# Altium PCB RockerBox_Rev01.PcbDoc (part 5 of 8)
Units mil, origin at the board's own origin, x right, y up, seen from the top; angles counter-clockwise.
Board outline 5354.33 x 8818.9 mil, 4 copper layers (L1, L2, L3, L4), stack 62.087 mil thick; 579 components, 159 nets, 3624 pads, 3252 vias.
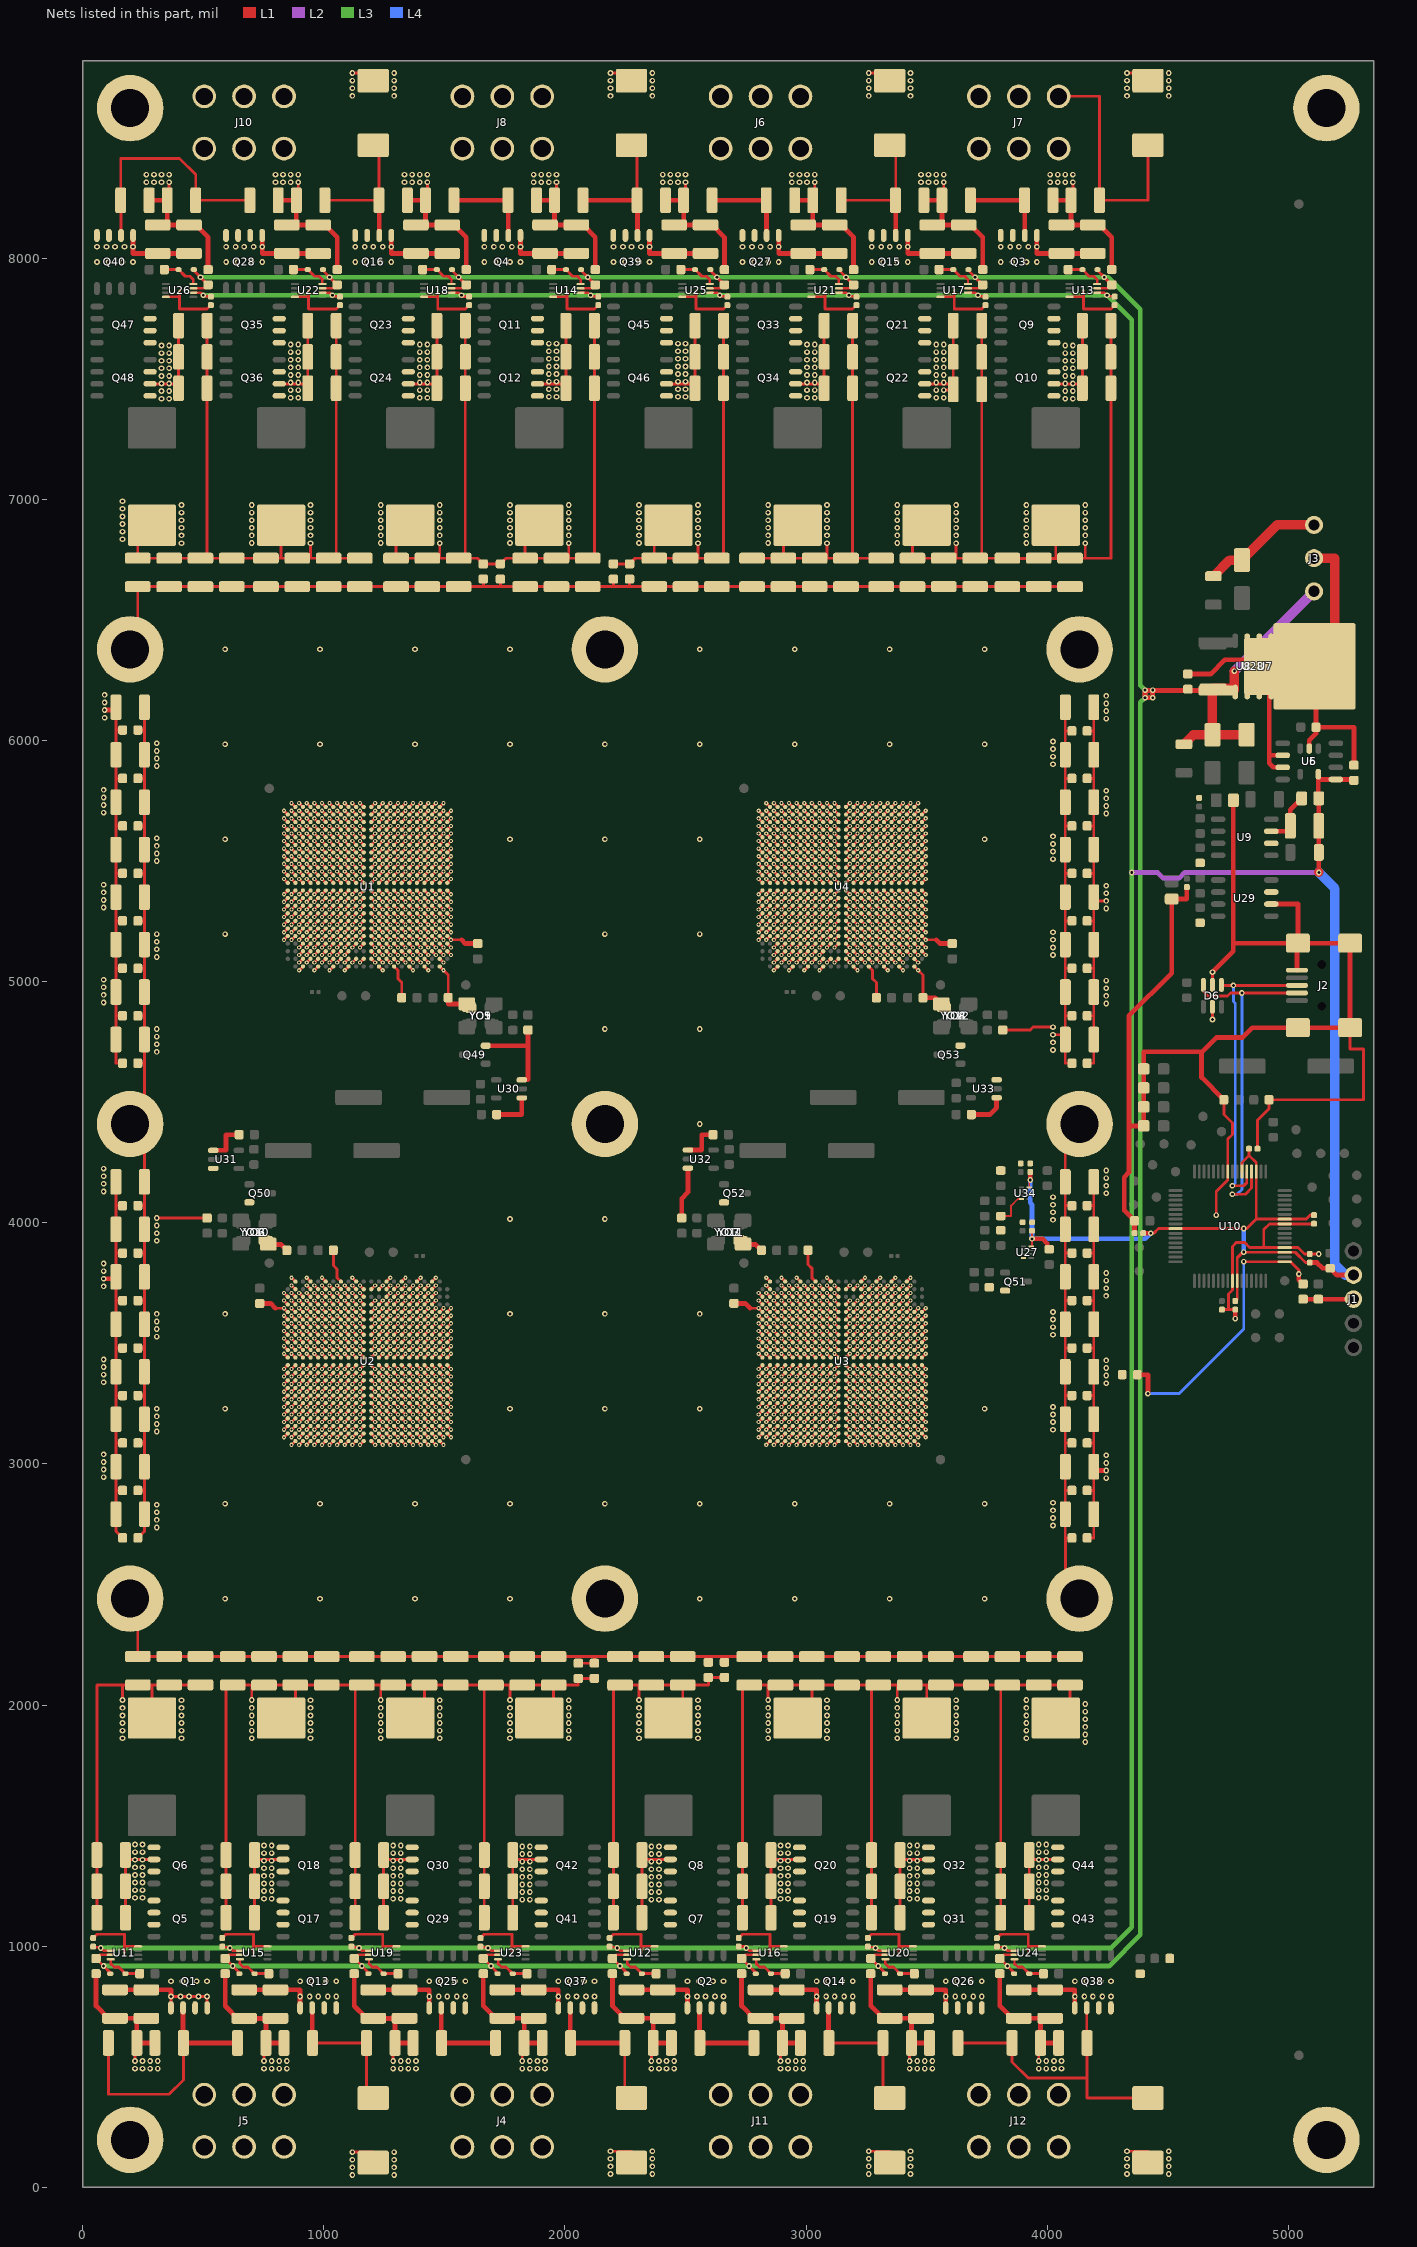
[diagram p7: the nets of this part, all layers, seen from the top]

## Via types
v1: diameter 17.72/17.72/17.72/17.72 (per signal layer), hole 7.87, L1 to L4, 1853 vias
v2: diameter 23.62/23.62/23.62/23.62 (per signal layer), hole 11.81, L1 to L4, 1399 vias

## Nets (pads, with @x,y where several pads share a name; then routed paths per layer and width w, separated by ;. In a path a pad name is that pad's centre, name@x,y a point inside that pad or via, vN(x,y) a via of type N, cw(c..) or ccw(c..) an arc to the next point about the centre after c; other vN are vias at no path point) (continued)
1V: (continued)
  L1 w19.68: v2(86.81,3767.72) C211.2@137.8,3767.72 ; v2(90.75,6125.98) C157.2@137.8,6125.98 ; C201.2@4192.91,2972.44 v2(4244.29,2972.44)
  other v2: 4157.48,1846.46 165.35,1862.2 409.45,1862.2 700.79,1862.2 944.88,1862.2 1236.22,1862.2 1480.31,1862.2 1771.65,1862.2 2015.75,1862.2 2307.09,1862.2 2551.18,1862.2 2842.52,1862.2 3086.61,1862.2 3377.95,1862.2 3622.05,1862.2 3913.39,1862.2 4157.48,1877.95 165.35,1893.7 409.45,1893.7 700.79,1893.7 944.88,1893.7 1236.22,1893.7 1480.31,1893.7 1771.65,1893.7 2015.75,1893.7 2307.09,1893.7 2551.18,1893.7 2842.52,1893.7 3086.61,1893.7 3377.95,1893.7 3622.05,1893.7 3913.39,1893.7 4157.48,1909.45 165.35,1925.2 409.45,1925.2 700.79,1925.2 944.88,1925.2 1236.22,1925.2 1480.31,1925.2 1771.65,1925.2 2015.75,1925.2 2307.09,1925.2 2551.18,1925.2 2842.52,1925.2 3086.61,1925.2 3377.95,1925.2 3622.05,1925.2 3913.39,1925.2 4157.48,1940.94 165.35,1956.69 409.45,1956.69 700.79,1956.69 944.88,1956.69 1236.22,1956.69 1480.31,1956.69 1771.65,1956.69 2015.75,1956.69 2307.09,1956.69 2551.18,1956.69 2842.52,1956.69 3086.61,1956.69 3377.95,1956.69 3622.05,1956.69 3913.39,1956.69 4157.48,1972.44 165.35,1988.19 409.45,1988.19 700.79,1988.19 944.88,1988.19 1236.22,1988.19 1480.31,1988.19 1771.65,1988.19 2015.75,1988.19 2307.09,1988.19 2551.18,1988.19 2842.52,1988.19 3086.61,1988.19 3377.95,1988.19 3622.05,1988.19 3913.39,1988.19 4157.48,2003.94 409.45,2019.68 944.88,2019.68 1480.31,2019.68 2015.75,2019.68 2551.18,2019.68 3086.61,2019.68 3622.05,2019.68 3913.39,2020.67 4244.29,2940.94 86.81,2944.88 86.81,2976.38 4244.29,3003.94 86.81,3007.87 4244.29,3035.43 86.81,3039.37 4244.29,3334.65 86.81,3338.58 4244.29,3366.14 86.81,3370.08 4244.29,3397.64 86.81,3401.57 4244.29,3429.13 86.81,3433.07 4244.09,3696.85 4244.29,3728.35 86.81,3736.22 4244.29,3759.84 4244.29,3791.34 86.81,3799.21 86.81,3830.71 4244.29,4122.05 86.81,4129.92 4244.29,4153.54 86.81,4161.42 4244.29,4185.04 86.81,4192.91 4244.29,4216.54 86.81,4224.41 4244.29,4909.45 86.81,4913.39 4244.29,4940.94 86.81,4944.88 4244.29,4972.44 86.81,4976.38 4244.29,5003.94 86.81,5007.87 4244.29,5303.15 86.81,5307.09 86.81,5338.58 4244.29,5366.14 86.81,5370.08 4244.29,5397.64 86.81,5401.57 4244.29,5696.85 86.81,5700.79 4244.29,5728.35 86.81,5732.28 4244.29,5759.84 86.81,5763.78 4244.29,5791.34 86.81,5795.28 4244.29,6090.55 90.75,6094.49 4244.29,6122.05 4244.29,6153.54 90.75,6157.48 4244.29,6185.04 90.75,6188.98 409.45,6817.91 700.79,6818.9 1236.22,6818.9 1771.65,6818.9 2307.09,6818.9 2842.52,6818.9 3377.95,6818.9 3913.39,6818.9 165.35,6834.65 409.45,6850.39 700.79,6850.39 944.88,6850.39 1236.22,6850.39 1480.31,6850.39 1771.65,6850.39 2015.75,6850.39 2307.09,6850.39 2551.18,6850.39 2842.52,6850.39 3086.61,6850.39 3377.95,6850.39 3622.05,6850.39 3913.39,6850.39 4157.48,6850.39 165.35,6866.14 409.45,6881.89 700.79,6881.89 944.88,6881.89 1236.22,6881.89 1480.31,6881.89 1771.65,6881.89 2015.75,6881.89 2307.09,6881.89 2551.18,6881.89 2842.52,6881.89 3086.61,6881.89 3377.95,6881.89 3622.05,6881.89 3913.39,6881.89 4157.48,6881.89 165.35,6897.64 409.45,6913.39 700.79,6913.39 944.88,6913.39 1236.22,6913.39 1480.31,6913.39 1771.65,6913.39 2015.75,6913.39 2307.09,6913.39 2551.18,6913.39 2842.52,6913.39 3086.61,6913.39 3377.95,6913.39 3622.05,6913.39 3913.39,6913.39 4157.48,6913.39 165.35,6929.13 409.45,6944.88 700.79,6944.88 944.88,6944.88 1236.22,6944.88 1480.31,6944.88 1771.65,6944.88 2015.75,6944.88 2307.09,6944.88 2551.18,6944.88 2842.52,6944.88 3086.61,6944.88 3377.95,6944.88 3622.05,6944.88 3913.39,6944.88 4157.48,6944.88 165.35,6960.63 409.45,6976.38 700.79,6976.38 944.88,6976.38 1236.22,6976.38 1480.31,6976.38 1771.65,6976.38 2015.75,6976.38 2307.09,6976.38 2551.18,6976.38 2842.52,6976.38 3086.61,6976.38 3377.95,6976.38 3622.05,6976.38 3913.39,6976.38 4157.48,6976.38 165.35,6992.13
3.3V: C4.1 C6.1 C7.1 C8.1 C9.1 C13.2 C14.1 C24.1 C25.1 C26.1 C27.1 C56.1 C57.1 C58.1 C59.1 C88.1 C89.1 C90.1 C91.1 C120.1 C121.1 C122.1 C123.1 C168.2 C251.2 C347.1 J1.2 R9.2 R14.2 R18.1 U5.5 U6.1 U10.10 U10.19 U10.26 U10.35 U10.38 U10.57 U11.6 U12.6 U13.6 U14.6 U15.6 U16.6 U17.6 U18.6 U19.6 U20.6 U21.6 U22.6 U23.6 U24.6 U25.6 U26.6 U27.8 U34.8 | length 24606.4
  L1 w7.87: U34.8@3925.2,4145.67 3925.2,4177.17 v2(3929.13,4177.17) ; U27.8@3933.27,3901.57 3937.2,3901.57 3937.2,3933.27 3937.2,3937.01 C168.2@3937.2,3966.54
  L1 w9.84: C24.1@43.31,998.03 45.28,996.06 71.85,996.06 75.3,992.62 78.74,989.17 v2(74.8,992.13) 79.23,988.68 86.61,981.3 U11.6@116.14,981.3 ; U26.6@458.66,7857.28 488.19,7857.28 495.57,7849.9 v2(500,7846.46) 496.06,7849.41 499.51,7845.96 502.95,7842.52 529.53,7842.52 C123.1@531.5,7840.55 ; C56.1@578.74,998.03 580.71,996.06 607.28,996.06 614.17,989.17 v2(610.24,992.13) 614.67,988.68 622.05,981.3 U15.6@651.57,981.3 ; U22.6@994.09,7857.28 1023.62,7857.28 1031,7849.9 v2(1035.43,7846.46) 1031.5,7849.41 1038.39,7842.52 1064.96,7842.52 C91.1@1066.93,7840.55 ; C88.1@1114.17,998.03 1116.14,996.06 1142.72,996.06 1149.61,989.17 v2(1145.67,992.13) 1150.1,988.68 1157.48,981.3 U19.6@1187.01,981.3 ; U18.6@1529.53,7857.28 1559.06,7857.28 v2@1569.88,7846.46 ; C120.1@1649.61,998.03 1651.57,996.06 1678.15,996.06 1685.04,989.17 v2(1681.1,992.13) 1685.53,988.68 1692.91,981.3 U23.6@1722.44,981.3 ; U14.6@2064.96,7857.28 2094.49,7857.28 2101.87,7849.9 v2(2106.3,7846.46) 2102.36,7849.41 2105.81,7845.96 2109.25,7842.52 2135.83,7842.52 C27.1@2137.8,7840.55 ; C25.1@2185.04,998.03 2187.01,996.06 2213.58,996.06 2217.03,992.62 2220.47,989.17 v2(2216.54,992.13) 2220.96,988.68 2228.35,981.3 U12.6@2257.87,981.3 ; U25.6@2600.39,7857.28 2629.92,7857.28 2637.3,7849.9 v2(2641.73,7846.46) 2637.8,7849.41 2641.24,7845.96 2644.68,7842.52 2671.26,7842.52 C122.1@2673.23,7840.55 ; v2@2752.95,992.13 2763.78,981.3 U16.6@2793.31,981.3 ; U21.6@3135.83,7857.28 3165.35,7857.28 3172.74,7849.9 v2(3177.17,7846.46) 3173.23,7849.41 3180.12,7842.52 3206.69,7842.52 C90.1@3208.66,7840.55 ; C89.1@3255.91,998.03 3257.87,996.06 3284.45,996.06 3291.34,989.17 v2(3287.4,992.13) 3291.83,988.68 3299.21,981.3 U20.6@3328.74,981.3 ; U17.6@3671.26,7857.28 3700.79,7857.28 3708.17,7849.9 v2(3712.6,7846.46) 3708.66,7849.41 3715.55,7842.52 3742.13,7842.52 C58.1@3744.09,7840.55 ; C121.1@3791.34,998.03 3793.31,996.06 3819.88,996.06 3823.33,992.62 3826.77,989.17 v2(3822.83,992.13) 3827.26,988.68 3834.65,981.3 U24.6@3864.17,981.3 ; U13.6@4206.69,7857.28 4236.22,7857.28 4243.6,7849.9 v2(4248.03,7846.46) 4244.09,7849.41 4247.54,7845.96 4250.98,7842.52 4277.56,7842.52 C26.1@4279.53,7840.55
  L1 w11.81: v2(1570.87,7846.46) 1569.88,7846.46 1570.37,7845.96 1575.79,7840.55 C59.1@1602.36,7840.55 ; C57.1@2720.47,998.03 2747.05,998.03 2752.46,992.62 2752.95,992.13 v2(2751.97,992.13) ; v2(4429.13,3956.69) 4441.61,3956.69 4460.63,3975.71 U10.57@4531.79,3975.71 v2@4814.29,3975.71 ; C9.1@4779.53,3675.2 4785.43,3681.1 4787.7,3681.1 4787.7,3854.63 4810.36,3877.29 4814.29,3877.29 v2(4814.96,3877.95) 4814.96,3877.29 U10.19@4984.55,3877.29 5028.23,3877.29 5070.87,3834.65 C6.1@5088.58,3834.65 ; U10.38@4807.38,4211.93 4807.38,4250.05 4836.61,4279.28 ; v2(4814.96,3976.38) v2@4814.29,3975.71 ; C4.1@4836.61,4307.09 4836.61,4279.28 ; C8.1@5106.3,4031.5 5090.55,4031.5 5074.14,4015.08 U10.26@4984.55,4015.08 4866.44,4015.08 ; v2@4814.29,3975.71 4827.07,3975.71 4866.44,4015.08 ; 4836.61,4279.28 4866.44,4249.46 U10.35@4866.44,4211.93 4866.44,4015.08
  L1 w19.68: v2(3929.13,4177.17) 3929.33,4177.36 C251.2@3929.33,4210.63 ; v2@3937.2,3937.01 3937.01,3936.81 v2(3937.01,3933.07) 3937.2,3933.27 3980.31,3933.27 4000,3913.58 4000,3897.83 R18.1@4008.07,3889.76 ; C7.1@4397.64,3956.69 v2(4429.13,3956.69) ; C6.1@5088.58,3834.65 5118.11,3834.65 5141.73,3811.02 R9.2@5173.23,3811.02 5201.18,3783.07 J1.2@5269.68,3783.07 ; U5.5@5124.02,5860.24 5124.02,5838.39 ; v2@5125.98,5452.95 R14.2@5125.98,5535.43 C13.2@5125.98,5645.67 C14.1@5125.98,5759.84 5124.02,5761.81 5124.02,5838.39 ; C347.1@5271.65,5834.65 5267.91,5838.39 U6.1@5196.85,5838.39 5124.02,5838.39
  L1 w39.37: v2@5125.98,5452.95 v2(5126.18,5452.76)
  L2 w19.68: v2(4350.39,5452.76) 4456.69,5452.76 4480.31,5429.13 4547.24,5429.13 4570.87,5452.76 v2(5126.18,5452.76)
  L3 w19.68: v2(74.8,992.13) v2(610.24,992.13) v2(1145.67,992.13) v2(1681.1,992.13) v2(2216.54,992.13) v2(2751.97,992.13) v2(3287.4,992.13) v2(3822.83,992.13) 4263.98,992.13 4350.59,1078.74 4350.59,7743.9 4350.39,7744.09 ; v2(500,7846.46) v2(1035.43,7846.46) v2(1570.87,7846.46) v2(2106.3,7846.46) v2(2641.73,7846.46) v2(3177.17,7846.46) v2(3712.6,7846.46) v2(4248.03,7846.46) 4350.39,7744.09 ; v2(4350.39,5452.76) 4350.39,7744.09
  L4 w19.68: v2(3929.13,4177.17) 3929.13,4082.68 3937.01,4074.8 v2(3937.01,3933.07) 4405.51,3933.07 v2(4429.13,3956.69) ; v2(4814.96,3877.95) v2(4814.96,3976.38)
  L4 w39.37: v2(5126.18,5452.76) 5192.72,5385.83 5192.72,3826.77 5236.42,3783.07 J1.2@5269.68,3783.07
5.0V: C12.1 C20.2 C21.2 C22.2 C23.2 C52.2 C53.2 C54.2 C55.2 C84.2 C85.2 C86.2 C87.2 C116.2 C117.2 C118.2 C119.2 D5.2 D7.1 D10.2 D11.2 D12.2 D13.2 D14.2 D15.2 D16.2 D17.2 D18.2 D19.2 D20.2 D21.2 D22.2 D23.2 D24.2 D25.2 J3.1 R12.1 U7.3 U8.3 U11.7 U12.7 U13.7 U14.7 U15.7 U16.7 U17.7 U18.7 U19.7 U20.7 U21.7 U22.7 U23.7 U24.7 U25.7 U26.7 U28.1 | length 19239
  L1 w9.84: C20.2@55.12,948.82 56.1,948.82 70.87,963.58 U11.7@116.14,963.58 ; U26.7@458.66,7875 503.94,7875 518.7,7889.76 C119.2@519.68,7889.76 ; C52.2@590.55,948.82 591.54,948.82 606.3,963.58 U15.7@651.57,963.58 ; U22.7@994.09,7875 1039.37,7875 1054.13,7889.76 C87.2@1055.12,7889.76 ; C84.2@1125.98,948.82 1126.97,948.82 1141.73,963.58 U19.7@1187.01,963.58 ; U18.7@1529.53,7875 1574.8,7875 1589.57,7889.76 C55.2@1590.55,7889.76 ; C116.2@1661.42,948.82 1662.4,948.82 1677.17,963.58 U23.7@1722.44,963.58 ; U14.7@2064.96,7875 2110.24,7875 2125,7889.76 C23.2@2125.98,7889.76 ; C21.2@2196.85,948.82 2197.83,948.82 2212.6,963.58 U12.7@2257.87,963.58 ; U25.7@2600.39,7875 2645.67,7875 2660.43,7889.76 C118.2@2661.42,7889.76 ; C53.2@2732.28,948.82 2733.27,948.82 2748.03,963.58 U16.7@2793.31,963.58 ; U21.7@3135.83,7875 3181.1,7875 3195.87,7889.76 C86.2@3196.85,7889.76 ; C85.2@3267.72,948.82 3268.7,948.82 3283.46,963.58 U20.7@3328.74,963.58 ; U17.7@3671.26,7875 3716.54,7875 3731.3,7889.76 C54.2@3732.28,7889.76 ; C117.2@3803.15,948.82 3804.13,948.82 3818.9,963.58 U24.7@3864.17,963.58 ; U13.7@4206.69,7875 4251.97,7875 4266.73,7889.76 C22.2@4267.72,7889.76
  L1 w11.81: C20.2@55.12,948.82 v2(86.61,917.32) 114.17,889.76 D10.2@114.17,885.83 ; D25.2@460.63,7952.76 460.63,7948.82 v2(488.19,7921.26) C119.2@519.68,7889.76 ; C52.2@590.55,948.82 v2(622.05,917.32) 649.61,889.76 D14.2@649.61,885.83 ; D21.2@996.06,7952.76 996.06,7948.82 v2(1023.62,7921.26) C87.2@1055.12,7889.76 ; C84.2@1125.98,948.82 v2(1157.48,917.32) 1185.04,889.76 D18.2@1185.04,885.83 ; D17.2@1531.5,7952.76 1531.5,7948.82 v2(1559.06,7921.26) C55.2@1590.55,7889.76 ; C116.2@1661.42,948.82 v2(1692.91,917.32) 1720.47,889.76 D22.2@1720.47,885.83 ; D13.2@2066.93,7952.76 2066.93,7948.82 v2(2094.49,7921.26) C23.2@2125.98,7889.76 ; C21.2@2196.85,948.82 v2(2228.35,917.32) 2255.91,889.76 D11.2@2255.91,885.83 ; D24.2@2602.36,7952.76 2602.36,7948.82 v2(2629.92,7921.26) C118.2@2661.42,7889.76 ; C53.2@2732.28,948.82 v2(2763.78,917.32) 2791.34,889.76 D15.2@2791.34,885.83 ; D20.2@3137.8,7952.76 3137.8,7948.82 v2(3165.35,7921.26) C86.2@3196.85,7889.76 ; C85.2@3267.72,948.82 v2(3299.21,917.32) 3326.77,889.76 D19.2@3326.77,885.83 ; D16.2@3673.23,7952.76 3673.23,7948.82 v2(3700.79,7921.26) C54.2@3732.28,7889.76 ; C117.2@3803.15,948.82 v2(3834.65,917.32) 3862.2,889.76 D23.2@3862.2,885.83 ; D12.2@4208.66,7952.76 4208.66,7948.82 v2(4236.22,7921.26) C22.2@4267.72,7889.76 ; C12.1@4582.87,6207.09 C12.1@4582.87,6212.6 ; U8.3@4685.04,6200.79 U28.1@4779.33,6200.79 ; U8.3@4688.98,6216.93 4688.98,6207.09 U7.3@4700.79,6207.09
  L1 w19.68: v2(4405.71,6208.66) v2@4405.71,6207.09 ; v2(4437.2,6208.66) v2@4437.2,6207.09 ; U8.3@4688.98,6207.09 4685.04,6207.09 4582.87,6207.09 v2@4437.2,6207.09 ; v2@4405.71,6207.09 v2(4405.71,6177.17) v2(4437.2,6177.17) v2@4437.2,6207.09 ; v2@4405.71,6207.09 v2@4437.2,6207.09
  L1 w39.37: R12.1@4566.93,5984.25 4606.3,6023.62 D5.2@4685.04,6023.62 ; v2(4775.79,6287.4) 4775.79,6208.66 4767.52,6216.93 4688.98,6216.93 U8.3@4687.01,6216.93 4685.04,6214.96 4685.04,6207.09 4685.04,6200.79 D5.2@4685.04,6023.62 ; D7.1@4826.77,6023.62 D5.2@4685.04,6023.62
  L2 w39.37: v2(4775.79,6287.4) 5106.3,6617.91 J3.1@5106.3,6618.11
  L3 w19.68: v2(86.61,917.32) v2(622.05,917.32) v2(1157.48,917.32) v2(1692.91,917.32) v2(2228.35,917.32) v2(2763.78,917.32) v2(3299.21,917.32) v2(3834.65,917.32) 4256.1,917.32 4386.02,1047.24 4386.02,6157.48 v2(4405.71,6177.17) ; v2(488.19,7921.26) v2(1023.62,7921.26) v2(1559.06,7921.26) v2(2094.49,7921.26) v2(2629.92,7921.26) v2(3165.35,7921.26) v2(3700.79,7921.26) v2(4236.22,7921.26) 4252.17,7921.26 4386.02,7787.4 4386.02,6228.35 v2(4405.71,6208.66) ; v2(4405.71,6177.17) v2(4405.71,6208.66) ; v2(4405.71,6177.17) v2(4437.2,6177.17) v2(4437.2,6208.66) v2(4405.71,6208.66)
12V: C32.2 C33.2 C37.2 C38.2 C42.2 C43.2 C47.2 C48.2 C64.2 C65.2 C69.2 C70.2 C74.2 C75.2 C79.2 C80.2 C96.2 C97.2 C101.2 C102.2 C106.2 C107.2 C111.2 C112.2 C128.2 C129.2 C133.2 C134.2 C138.2 C139.2 C143.2 C144.2 C348.2 C349.2 C353.2 C354.2 C358.2 C359.2 C363.2 C364.2 C368.2 C369.2 C373.2 C374.2 C378.2 C379.2 C383.2 C384.2 C391.2 C392.2 C402.2 C403.2 C404.2 C405.2 C406.2 C407.2 C420.2 C421.2 C422.2 C423.2 C424.2 C425.2 C426.2 C427.2 D8.2 D9.1 D26.1 D27.1 D28.1 D29.1 D30.1 D31.1 D32.1 J3.3 J4.1 J4.2 J4.3 J5.1 J5.2 J5.3 J6.1 J6.2 J6.3 J7.1 J7.2 J7.3 J8.1 J8.2 J8.3 J10.1 J10.2 J10.3 J11.1 J11.2 J11.3 J12.1 J12.2 J12.3 Q1.5 Q1.6 Q1.7 Q1.8 Q2.5 Q2.6 Q2.7 Q2.8 Q3.5 Q3.6 Q3.7 Q3.8 Q4.5 Q4.6 Q4.7 Q4.8 Q13.5 Q13.6 Q13.7 Q13.8 Q14.5 Q14.6 Q14.7 Q14.8 Q15.5 Q15.6 Q15.7 Q15.8 Q16.5 Q16.6 Q16.7 Q16.8 Q25.5 Q25.6 Q25.7 Q25.8 Q26.5 Q26.6 Q26.7 Q26.8 Q27.5 Q27.6 Q27.7 Q27.8 Q28.5 Q28.6 Q28.7 Q28.8 Q37.5 Q37.6 Q37.7 Q37.8 Q38.5 Q38.6 Q38.7 Q38.8 Q39.5 Q39.6 Q39.7 Q39.8 Q40.5 Q40.6 Q40.7 Q40.8 R4.1 R13.2 | length 15591.1
  L1 w11.81: C420.2@106.3,598.43 106.3,385.83 358.27,385.83 417.32,444.88 C33.2@417.32,598.43 ; Q40.6@158.86,8094.49 158.86,8244.09 C144.2@157.48,8240.16 157.48,8413.39 401.57,8413.39 468.5,8346.46 C368.2@468.5,8240.16 C112.2@692.91,8240.16 ; Q1.5@365.96,744.09 365.96,791.34 v2(366.14,791.34) v2(405.51,791.34) v2(440.94,791.34) v2(480.31,791.34) v2(515.75,791.34) 515.94,791.34 Q1.8@515.94,744.09 ; C65.2@951.38,599.8 951.38,598.43 C65.2@952.76,598.43 C424.2@1177.17,598.43 1177.17,370.08 D28.1@1204.72,370.08 ; C363.2@1003.94,8240.16 C80.2@1228.35,8240.16 ; D29.1@1204.72,8468.5 1228.35,8468.5 C80.2@1228.35,8240.16 ; C80.2@1229.72,8238.78 C80.2@1228.35,8240.16 ; C97.2@1486.81,599.8 C97.2@1488.19,598.43 ; C48.2@1763.78,8240.16 C48.2@1765.16,8238.78 ; C129.2@2022.24,599.8 C129.2@2023.62,598.43 ; C348.2@2248.03,598.43 2248.03,370.08 D26.1@2275.59,370.08 ; D31.1@2275.59,8468.5 2299.21,8468.5 C139.2@2299.21,8240.16 C139.2@2300.59,8238.78 ; C38.2@2557.68,599.8 C38.2@2559.06,598.43 ; C107.2@2834.65,8240.16 C107.2@2836.02,8238.78 ; C70.2@3093.11,599.8 C70.2@3094.49,598.43 C404.2@3318.9,598.43 3318.9,370.08 D27.1@3346.46,370.08 ; C383.2@3145.67,8240.16 C75.2@3370.08,8240.16 C75.2@3371.46,8240.16 ; D30.1@3346.46,8468.5 3371.46,8468.5 C75.2@3371.46,8240.16 ; C75.2@3371.46,8238.78 C75.2@3371.46,8240.16 ; C102.2@3629.92,598.43 C406.2@3854.33,598.43 3854.33,519.68 3921.26,452.76 4165.35,452.76 ; J7.3@4047.24,8671.26 4216.54,8671.26 C373.2@4216.54,8240.16 4417.32,8240.16 D32.1@4417.32,8468.5 ; Q38.6@4163.98,744.09 4163.98,594.49 C134.2@4165.35,598.43 4165.35,452.76 ; D9.1@4417.32,370.08 4165.35,370.08 4165.35,452.76
  L1 w19.68: C32.2@133.86,818.9 C421.2@263.78,818.9 365.96,818.9 v2@365.96,791.34 ; Q40.5@208.84,8094.49 208.84,8019.69 C369.2@311.02,8019.69 C143.2@440.94,8019.69 ; Q1.6@415.94,744.09 415.94,599.8 C33.2@417.32,598.43 C422.2@641.73,598.43 ; C64.2@669.29,818.9 C423.2@799.21,818.9 901.39,818.9 Q13.5@901.39,744.09 ; Q28.5@744.27,8094.49 744.27,8019.69 C364.2@846.46,8019.69 C111.2@976.38,8019.69 ; C65.2@951.38,599.8 Q13.6@951.38,744.09 ; C96.2@1204.72,818.9 C425.2@1334.65,818.9 1436.83,818.9 Q25.5@1436.83,744.09 ; Q16.6@1229.72,8094.49 C80.2@1229.72,8238.78 ; Q16.5@1279.71,8094.49 1279.71,8019.69 C359.2@1381.89,8019.69 C79.2@1511.81,8019.69 ; C97.2@1486.81,599.8 Q25.6@1486.81,744.09 ; C97.2@1488.19,598.43 C426.2@1712.6,598.43 ; C358.2@1539.37,8240.16 C48.2@1763.78,8240.16 ; C128.2@1740.16,818.9 C427.2@1870.08,818.9 1972.26,818.9 Q37.5@1972.26,744.09 ; Q4.6@1765.16,8094.49 C48.2@1765.16,8238.78 ; Q4.5@1815.14,8094.49 1815.14,8019.69 C354.2@1917.32,8019.69 C47.2@2047.24,8019.69 ; C129.2@2022.24,599.8 Q37.6@2022.24,744.09 ; C129.2@2023.62,598.43 C348.2@2248.03,598.43 ; C353.2@2074.8,8240.16 C139.2@2299.21,8240.16 ; C37.2@2275.59,818.9 C349.2@2405.51,818.9 2507.69,818.9 Q2.5@2507.69,744.09 ; Q39.6@2300.59,8094.49 C139.2@2300.59,8238.78 ; Q39.5@2350.57,8094.49 2350.57,8019.69 C392.2@2452.76,8019.69 C138.2@2582.68,8019.69 ; C38.2@2557.68,599.8 Q2.6@2557.68,744.09 ; C38.2@2559.06,598.43 C402.2@2783.46,598.43 ; C391.2@2610.24,8240.16 C107.2@2834.65,8240.16 ; C69.2@2811.02,818.9 C403.2@2940.94,818.9 3043.13,818.9 Q14.5@3043.13,744.09 ; Q27.6@2836.02,8094.49 C107.2@2836.02,8238.78 ; Q27.5@2886.01,8094.49 2886.01,8019.69 C384.2@2988.19,8019.69 C106.2@3118.11,8019.69 ; C70.2@3093.11,599.8 Q14.6@3093.11,744.09 ; C101.2@3346.46,818.9 C405.2@3476.38,818.9 3578.56,818.9 Q26.5@3578.56,744.09 ; Q15.6@3371.46,8094.49 C75.2@3371.46,8238.78 ; Q15.5@3421.44,8094.49 3421.44,8019.69 C379.2@3523.62,8019.69 C74.2@3653.54,8019.69 ; C378.2@3681.1,8240.16 C43.2@3905.51,8240.16 3906.89,8238.78 Q3.6@3906.89,8094.49 ; C133.2@3881.89,818.9 C407.2@4011.81,818.9 4113.99,818.9 Q38.5@4113.99,744.09 ; Q3.5@3956.87,8094.49 3956.87,8019.69 C374.2@4059.06,8019.69 C42.2@4188.98,8019.69
  L1 w39.37: R13.2@4688.98,6681.1 4755.91,6748.03 D8.2@4807.09,6748.03 4952.76,6893.7 J3.3@5106.3,6893.7
  other v2: 901.77,791.34 941.14,791.34 976.57,791.34 1015.94,791.34 1051.38,791.34 1437.2,791.34 1476.57,791.34 1512.01,791.34 1551.38,791.34 1586.81,791.34 1972.64,791.34 2012.01,791.34 2047.44,791.34 2086.81,791.34 2122.24,791.34 2508.07,791.34 2547.44,791.34 2582.87,791.34 2622.24,791.34 2657.68,791.34 3043.5,791.34 3082.87,791.34 3118.31,791.34 3157.68,791.34 3193.11,791.34 3578.94,791.34 3618.31,791.34 3653.74,791.34 3693.11,791.34 3728.54,791.34 4114.37,791.34 4153.74,791.34 4189.17,791.34 4228.54,791.34 4263.98,791.34 366.14,854.33 413.39,854.33 472.44,854.33 515.75,854.33 901.77,854.33 949.02,854.33 1008.07,854.33 1051.38,854.33 1437.2,854.33 1484.45,854.33 1543.5,854.33 1586.81,854.33 1972.64,854.33 2019.88,854.33 2078.94,854.33 2122.24,854.33 2508.07,854.33 2555.31,854.33 2614.37,854.33 2657.68,854.33 3043.5,854.33 3090.75,854.33 3149.8,854.33 3193.11,854.33 3578.94,854.33 3626.18,854.33 3685.24,854.33 3728.54,854.33 4114.37,854.33 4161.61,854.33 4220.67,854.33 4263.98,854.33 59.25,7984.25 106.5,7984.25 165.55,7984.25 208.86,7984.25 594.68,7984.25 641.93,7984.25 700.98,7984.25 744.29,7984.25 1130.12,7984.25 1177.36,7984.25 1236.42,7984.25 1279.72,7984.25 1665.55,7984.25 1712.8,7984.25 1771.85,7984.25 1815.16,7984.25 2200.98,7984.25 2248.23,7984.25 2307.28,7984.25 2350.59,7984.25 2736.42,7984.25 2783.66,7984.25 2842.72,7984.25 2886.02,7984.25 3271.85,7984.25 3319.09,7984.25 3378.15,7984.25 3421.46,7984.25 3807.28,7984.25 3854.53,7984.25 3913.58,7984.25 3956.89,7984.25 59.25,8047.24 98.62,8047.24 134.06,8047.24 173.43,8047.24 208.86,8047.24 594.68,8047.24 634.06,8047.24 669.49,8047.24 708.86,8047.24 744.29,8047.24 1130.12,8047.24 1169.49,8047.24 1204.92,8047.24 1244.29,8047.24 1279.72,8047.24 1665.55,8047.24 1704.92,8047.24 1740.35,8047.24 1779.72,8047.24 1815.16,8047.24 2200.98,8047.24 2240.35,8047.24 2275.79,8047.24 2315.16,8047.24 2350.59,8047.24 2736.42,8047.24 2775.79,8047.24 2811.22,8047.24 2850.59,8047.24 2886.02,8047.24 3271.85,8047.24 3311.22,8047.24 3346.65,8047.24 3386.02,8047.24 3421.46,8047.24 3807.28,8047.24 3846.65,8047.24 3882.09,8047.24 3921.46,8047.24 3956.89,8047.24
BOOT1: C28.1 D10.1 U11.8 | length 155.9
  L1 w9.84: 116.14,927.17 U11.8@116.14,945.87
  L1 w11.81: 116.14,927.17 129.92,913.39 149.61,913.39 D10.1@177.17,885.83 C28.1@236.22,885.83
BOOT2: C60.1 D14.1 U15.8 | length 155.9
  L1 w9.84: 651.57,927.17 U15.8@651.57,945.87
  L1 w11.81: 651.57,927.17 665.35,913.39 685.04,913.39 D14.1@712.6,885.83 C60.1@771.65,885.83
BOOT3: C92.1 D18.1 U19.8 | length 155.9
  L1 w9.84: 1187.01,927.17 U19.8@1187.01,945.87
  L1 w11.81: 1187.01,927.17 1200.79,913.39 1220.47,913.39 D18.1@1248.03,885.83 C92.1@1307.09,885.83
BOOT4: C124.1 D22.1 U23.8 | length 155.9
  L1 w9.84: 1722.44,927.17 U23.8@1722.44,945.87
  L1 w11.81: 1722.44,927.17 1736.22,913.39 1755.91,913.39 D22.1@1783.46,885.83 C124.1@1842.52,885.83
BOOT5: C29.1 D11.1 U12.8 | length 155.9
  L1 w9.84: 2257.87,927.17 U12.8@2257.87,945.87
  L1 w11.81: 2257.87,927.17 2271.65,913.39 2291.34,913.39 D11.1@2318.9,885.83 C29.1@2377.95,885.83
BOOT6: C61.1 D15.1 U16.8 | length 155.9
  L1 w9.84: 2793.31,927.17 U16.8@2793.31,945.87
  L1 w11.81: 2793.31,927.17 2807.09,913.39 2826.77,913.39 D15.1@2854.33,885.83 C61.1@2913.39,885.83
BOOT7: C93.1 D19.1 U20.8 | length 155.9
  L1 w9.84: 3328.74,927.17 U20.8@3328.74,945.87
  L1 w11.81: 3328.74,927.17 3342.52,913.39 3362.2,913.39 D19.1@3389.76,885.83 C93.1@3448.82,885.83
BOOT8: C125.1 D23.1 U24.8 | length 155.9
  L1 w9.84: 3864.17,927.17 U24.8@3864.17,945.87
  L1 w11.81: 3864.17,927.17 3877.95,913.39 3897.64,913.39 D23.1@3925.2,885.83 C125.1@3984.25,885.83
BOOT9: C30.1 D12.1 U13.8 | length 155.9
  L1 w9.84: U13.8@4206.69,7892.72 4206.69,7911.42
  L1 w11.81: C30.1@4086.61,7952.76 D12.1@4145.67,7952.76 4173.23,7925.2 4192.91,7925.2 4206.69,7911.42
BOOT10: C62.1 D16.1 U17.8 | length 155.9
  L1 w9.84: U17.8@3671.26,7892.72 3671.26,7911.42
  L1 w11.81: C62.1@3551.18,7952.76 D16.1@3610.24,7952.76 3637.8,7925.2 3657.48,7925.2 3671.26,7911.42
BOOT11: C94.1 D20.1 U21.8 | length 155.9
  L1 w9.84: U21.8@3135.83,7892.72 3135.83,7911.42
  L1 w11.81: C94.1@3015.75,7952.76 D20.1@3074.8,7952.76 3102.36,7925.2 3122.05,7925.2 3135.83,7911.42
BOOT12: C126.1 D24.1 U25.8 | length 155.9
  L1 w9.84: U25.8@2600.39,7892.72 2600.39,7911.42
  L1 w11.81: C126.1@2480.31,7952.76 D24.1@2539.37,7952.76 2566.93,7925.2 2586.61,7925.2 2600.39,7911.42
BOOT13: C31.1 D13.1 U14.8 | length 155.9
  L1 w9.84: U14.8@2064.96,7892.72 2064.96,7911.42
  L1 w11.81: C31.1@1944.88,7952.76 D13.1@2003.94,7952.76 2031.5,7925.2 2051.18,7925.2 2064.96,7911.42
BOOT14: C63.1 D17.1 U18.8 | length 155.9
  L1 w9.84: U18.8@1529.53,7892.72 1529.53,7911.42
  L1 w11.81: C63.1@1409.45,7952.76 D17.1@1468.5,7952.76 1496.06,7925.2 1515.75,7925.2 1529.53,7911.42
BOOT15: C95.1 D21.1 U22.8 | length 155.9
  L1 w9.84: U22.8@994.09,7892.72 994.09,7911.42
  L1 w11.81: C95.1@874.02,7952.76 D21.1@933.07,7952.76 960.63,7925.2 980.31,7925.2 994.09,7911.42
BOOT16: C127.1 D25.1 U26.8 | length 155.9
  L1 w9.84: U26.8@458.66,7892.72 458.66,7911.42
  L1 w11.81: C127.1@338.58,7952.76 D25.1@397.64,7952.76 425.2,7925.2 444.88,7925.2 458.66,7911.42
D+: D6.1 J2.3 U10.37 | length 1263.3
  L1 w11.81: D6.1@4722.44,4986.22 4724.41,4984.25 v2(4771.65,4984.25) J2.3@5035.43,4984.25 ; v2(4767.72,4153.54) 4814.96,4153.54 4827.07,4165.65 U10.37@4827.07,4211.93
  L4 w11.81: v2(4767.72,4153.54) 4779.53,4165.35 4779.53,4909.45 4771.65,4917.32 v2(4771.65,4984.25)
D-: D6.3 J2.2 U10.36 | length 1448.1
  L1 w11.81: D6.3@4647.64,4986.22 4649.61,4984.25 4649.61,4956.69 4665.35,4940.94 4748.03,4940.94 4759.84,4952.76 v2(4807.09,4952.76) J2.2@5035.43,4952.76 ; v2(4767.72,4118.11) 4821.39,4118.11 4846.75,4143.47 U10.36@4846.75,4211.93
  L4 w11.81: v2(4767.72,4118.11) 4787.4,4118.11 4807.09,4137.8 v2(4807.09,4952.76)
FB: C3.1 R6.1 U10.17 | length 1217.3
  L1 w11.81: v2(4814.96,3838.58) 4815.63,3837.92 U10.17@4984.55,3837.92 5008.17,3837.92 5043.31,3802.78 v2(5043.31,3787.4)
  L1 w19.68: R6.1@4374.02,3370.08 4417.32,3370.08 v2(4417.32,3291.34) ; v2(5043.31,3787.4) 5043.31,3763.78 C3.1@5061.02,3746.06
  L4 w11.81: v2(4417.32,3291.34) 4547.24,3291.34 4814.96,3559.06 v2(4814.96,3838.58)
GND: C1.2 C2.2 C3.2 C4.2 C5.2 C6.2 C7.2 C8.2 C9.2 C10.2 C11.2 C12.2 C13.1 C14.2 C15.2 C16.2 C17.2 C18.1 C19.1 C20.1 C21.1 C22.1 C23.1 C24.2 C25.2 C26.2 C27.2 C32.1 C33.1 C34.1 C35.1 C36.1 C37.1 C38.1 C39.1 C40.1 C41.1 C42.1 C43.1 C44.1 C45.1 C46.1 C47.1 C48.1 C49.1 C50.1 C51.1 C52.1 C53.1 C54.1 C55.1 C56.2 C57.2 C58.2 C59.2 C64.1 C65.1 C66.1 C67.1 C68.1 C69.1 C70.1 C71.1 C72.1 C73.1 C74.1 C75.1 C76.1 C77.1 C78.1 C79.1 C80.1 C81.1 C82.1 C83.1 C84.1 C85.1 C86.1 C87.1 C88.2 C89.2 C90.2 C91.2 C96.1 C97.1 C98.1 C99.1 C100.1 C101.1 C102.1 C103.1 C104.1 C105.1 C106.1 C107.1 C108.1 C109.1 C110.1 C111.1 C112.1 C113.1 C114.1 C115.1 C116.1 C117.1 C118.1 C119.1 C120.2 C121.2 C122.2 C123.2 C128.1 C129.1 C130.1 C131.1 C132.1 C133.1 C134.1 C135.1 C136.1 C137.1 C138.1 C139.1 C140.1 C141.1 C142.1 C143.1 C144.1 C145.1 C146.1 C147.1 C148.1 C149.1 C150.1 C151.1 C152.1 C153.1 C154.1 C155.1 C156.1 C157.1 C158.1 C159.1 C160.1 C161.1 C162.1 C163.1 C164.1 C165.1 C166.1 C167.1 C168.1 C169.1 C170.1 C171.1 C172.1 C173.1 C174.1 C175.1 C176.1 C177.1 C178.1 C179.1 C180.1 C181.1 C182.1 C183.1 C184.1 C185.1 C186.1 C187.1 C188.1 C189.1 C190.1 C191.1 C192.1 C193.1 C194.1 C195.1 C196.1 C197.1 C198.1 C199.1 C200.1 C201.1 C202.1 C203.1 C204.1 C205.1 C206.1 C207.1 C208.1 C209.1 C210.1 C211.1 C212.1 C213.1 C214.1 C215.1 C216.1 C217.1 C218.1 C219.1 C220.1 C221.1 C222.1 C223.1 C224.1 C225.1 C226.1 C227.1 C228.1 C229.1 C230.1 C231.2 C232.2 C233.1 C234.1 C235.1 C236.1 C237.1 C238.1 C239.1 C240.1 C241.1 C242.2 C243.2 C244.2 C245.2 C246.2 C247.2 C248.2 C249.2 C250.1 C251.1 C347.2 C348.1 C349.1 C350.1 C351.1 C352.1 C353.1 C354.1 C355.1 C356.1 C357.1 C358.1 C359.1 C360.1 C361.1 C362.1 C363.1 C364.1 C365.1 C366.1 C367.1 C368.1 C369.1 C370.1 C371.1 C372.1 C373.1 C374.1 C375.1 C376.1 C377.1 C378.1 C379.1 C380.1 C381.1 C382.1 C383.1 C384.1 C385.1 C386.1 C387.1 C388.1 C389.1 C390.1 C391.1 C392.1 C393.1 C394.1 C395.1 C396.1 C397.1 C398.1 C399.1 C400.1 C401.1 C402.1 C403.1 C404.1 C405.1 C406.1 C407.1 C408.1 C409.1 C410.1 C411.1 C412.1 C413.1 C414.1 C415.1 C416.1 C417.1 C418.1 C419.1 C420.1 C421.1 C422.1 C423.1 C424.1 C425.1 C426.1 C427.1 D1.1 D2.1 D3.1 D4.1 D6.2 D6.5 D9.2 D26.2 D27.2 D28.2 D29.2 D30.2 D31.2 D32.2 J1.3 J2.5 J2.6 J2.7 J2.8 J2.9 J3.2 J4.4 J4.5 J4.6 J5.4 J5.5 J5.6 J6.4 J6.5 J6.6 J7.4 J7.5 J7.6 J8.4 J8.5 J8.6 J9.1 J10.4 J10.5 J10.6 J11.4 J11.5 J11.6 J12.4 J12.5 J12.6 J13.1 J14.1 J15.1 J16.1 J17.1 J18.1 J19.1 J20.1 J21.1 J22.1 J23.1 J24.1 Q5.1 Q5.2 Q5.3 Q6.1 Q6.2 Q6.3 Q7.1 Q7.2 Q7.3 Q8.1 Q8.2 Q8.3 Q9.1 Q9.2 Q9.3 Q10.1 Q10.2 Q10.3 Q11.1 Q11.2 Q11.3 Q12.1 Q12.2 Q12.3 Q17.1 Q17.2 Q17.3 Q18.1 Q18.2 Q18.3 Q19.1 Q19.2 Q19.3 Q20.1 Q20.2 Q20.3 Q21.1 Q21.2 Q21.3 Q22.1 Q22.2 Q22.3 Q23.1 Q23.2 Q23.3 Q24.1 Q24.2 Q24.3 Q29.1 Q29.2 Q29.3 Q30.1 Q30.2 Q30.3 Q31.1 Q31.2 Q31.3 Q32.1 Q32.2 Q32.3 Q33.1 Q33.2 Q33.3 Q34.1 Q34.2 Q34.3 Q35.1 Q35.2 Q35.3 Q36.1 Q36.2 Q36.3 Q41.1 Q41.2 Q41.3 Q42.1 Q42.2 Q42.3 Q43.1 Q43.2 Q43.3 Q44.1 Q44.2 Q44.3 Q45.1 Q45.2 Q45.3 Q46.1 Q46.2 Q46.3 Q47.1 Q47.2 Q47.3 Q48.1 Q48.2 Q48.3 Q49.2 Q50.2 Q51.2 Q52.2 Q53.2 R5.1 R8.2 R17.2 R22.2 R24.2 R28.2 R29.2 U1.A2 U1.A4 U1.A6 U1.A8 U1.A10 U1.A12 U1.A14 U1.A16 U1.A18 U1.A20 U1.AA2 U1.AA4 U1.AA6 U1.AA8 U1.AA10 U1.AA12 U1.AA14 U1.AA16 U1.AA18 U1.AB3 U1.AB5 U1.AB7 U1.AB9 U1.AB11 U1.AB13 U1.AB15 U1.AB17 U1.B1 U1.B3 U1.B5 U1.B7 U1.B9 U1.B11 U1.B13 U1.B15 U1.B17 U1.B19 U1.B21 U1.B22 U1.C2 U1.C4 U1.C6 U1.C8 U1.C10 U1.C12 U1.C14 U1.C16 U1.C18 U1.C20 U1.D1 U1.D3 U1.D5 U1.D7 U1.D9 U1.D11 U1.D13 U1.D15 U1.D17 U1.D19 U1.D21 U1.D22 U1.E2 U1.E4 U1.E6 U1.E8 U1.E10 U1.E12 U1.E14 U1.E16 U1.E18 U1.E20 U1.F1 U1.F3 U1.F5 U1.F7 U1.F9 U1.F11 U1.F13 U1.F15 U1.F17 U1.F19 U1.F21 U1.F22 U1.G2 U1.G4 U1.G6 U1.G8 U1.G10 U1.G12 U1.G14 U1.G16 U1.G18 U1.G20 U1.H1 U1.H3 U1.H5 U1.H7 U1.H9 U1.H11 U1.H13 U1.H15 U1.H17 U1.H19 U1.H21 U1.H22 U1.J2 U1.J4 U1.J6 U1.J8 U1.J10 U1.J12 U1.J14 U1.J16 U1.J18 U1.J20 U1.K1 U1.K3 U1.K5 U1.K7 U1.K9 U1.K11 U1.K13 U1.K15 U1.K17 U1.K19 U1.K21 U1.K22 U1.L2 U1.L4 U1.L6 U1.L8 U1.L10 U1.L12 U1.L14 U1.L16 U1.L18 U1.L20 U1.M1 U1.M3 U1.M5 U1.M7 U1.M9 U1.M11 U1.M13 U1.M15 U1.M17 U1.M19 U1.M21 U1.N2 U1.N4 U1.N6 U1.N8 U1.N10 U1.N12 U1.N14 U1.N16 U1.N18 U1.P1 U1.P3 U1.P5 U1.P7 U1.P9 U1.P11 U1.P13 U1.P15 U1.P17 U1.P19 U1.P21 U1.P22 U1.R2 U1.R4 U1.R6 U1.R8 U1.R10 U1.R12 U1.R14 U1.R16 U1.R18 U1.R20 U1.T1 U1.T3 U1.T5 U1.T7 U1.T9 U1.T11 U1.T13 U1.T15 U1.T17 U1.T19 U1.T21 U1.T22 U1.U2 U1.U4 U1.U6 U1.U8 U1.U10 U1.U12 U1.U14 U1.U16 U1.U18 U1.U20 U1.V1 U1.V3 U1.V5 U1.V7 U1.V9 U1.V11 U1.V13 U1.V15 U1.V17 U1.V19 U1.V21 U1.V22 U1.W2 U1.W4 U1.W6 U1.W8 U1.W10 U1.W12 U1.W14 U1.W16 U1.W18 U1.W20 U1.Y1 U1.Y3 U1.Y5 U1.Y7 U1.Y9 U1.Y11 U1.Y13 U1.Y15 U1.Y17 U1.Y19 U1.Y21 U1.Y22 U2.A2 U2.A4 U2.A6 U2.A8 U2.A10 U2.A12 U2.A14 U2.A16 U2.A18 U2.A20 U2.AA2 U2.AA4 U2.AA6 U2.AA8 U2.AA10 U2.AA12 U2.AA14 U2.AA16 U2.AA18 U2.AB3 U2.AB5 U2.AB7 U2.AB9 U2.AB11 U2.AB13 U2.AB15 U2.AB17 U2.B1 U2.B3 U2.B5 U2.B7 U2.B9 U2.B11 U2.B13 U2.B15 U2.B17 U2.B19 U2.B21 U2.B22 U2.C2 U2.C4 U2.C6 U2.C8 U2.C10 U2.C12 U2.C14 U2.C16 U2.C18 U2.C20 U2.D1 U2.D3 U2.D5 U2.D7 U2.D9 U2.D11 U2.D13 U2.D15 U2.D17 U2.D19 U2.D21 U2.D22 U2.E2 U2.E4 U2.E6 U2.E8 U2.E10 U2.E12 U2.E14 U2.E16 U2.E18 U2.E20 U2.F1 U2.F3 U2.F5 U2.F7 U2.F9 U2.F11 U2.F13 U2.F15 U2.F17 U2.F19 U2.F21 U2.F22 U2.G2 U2.G4 U2.G6 U2.G8 U2.G10 U2.G12 U2.G14 U2.G16 U2.G18 U2.G20 U2.H1 U2.H3 U2.H5 U2.H7 U2.H9 U2.H11 U2.H13 U2.H15 U2.H17 U2.H19 U2.H21 U2.H22 U2.J2 U2.J4 U2.J6 U2.J8 U2.J10 U2.J12 U2.J14 U2.J16 U2.J18 U2.J20 U2.K1 U2.K3 U2.K5 U2.K7 U2.K9 U2.K11 U2.K13 U2.K15 U2.K17 U2.K19 U2.K21 U2.K22 U2.L2 U2.L4 U2.L6 U2.L8 U2.L10 U2.L12 U2.L14 U2.L16 U2.L18 U2.L20 U2.M1 U2.M3 U2.M5 U2.M7 U2.M9 U2.M11 U2.M13 U2.M15 U2.M17 U2.M19 U2.M21 U2.N2 U2.N4 U2.N6 U2.N8 U2.N10 U2.N12 U2.N14 U2.N16 U2.N18 U2.P1 U2.P3 U2.P5 U2.P7 U2.P9 U2.P11 U2.P13 U2.P15 U2.P17 U2.P19 U2.P21 U2.P22 U2.R2 U2.R4 U2.R6 U2.R8 U2.R10 U2.R12 U2.R14 U2.R16 U2.R18 U2.R20 U2.T1 U2.T3 U2.T5 U2.T7 U2.T9 U2.T11 U2.T13 U2.T15 U2.T17 U2.T19 U2.T21 U2.T22 U2.U2 U2.U4 U2.U6 U2.U8 U2.U10 U2.U12 U2.U14 U2.U16 U2.U18 U2.U20 U2.V1 U2.V3 U2.V5 U2.V7 U2.V9 U2.V11 U2.V13 U2.V15 U2.V17 U2.V19 U2.V21 U2.V22 U2.W2 U2.W4 U2.W6 U2.W8 U2.W10 U2.W12 U2.W14 U2.W16 U2.W18 U2.W20 U2.Y1 U2.Y3 U2.Y5 U2.Y7 U2.Y9 U2.Y11 U2.Y13 U2.Y15 U2.Y17 U2.Y19 U2.Y21 U2.Y22 U3.A2 U3.A4 U3.A6 U3.A8 U3.A10 U3.A12 U3.A14 U3.A16 U3.A18 U3.A20 U3.AA2 U3.AA4 U3.AA6 U3.AA8 U3.AA10 U3.AA12 U3.AA14 U3.AA16 U3.AA18 U3.AB3 U3.AB5 U3.AB7 U3.AB9 U3.AB11 U3.AB13 U3.AB15 U3.AB17 U3.B1 U3.B3 U3.B5 U3.B7 U3.B9 U3.B11 U3.B13 U3.B15 U3.B17 U3.B19 U3.B21 U3.B22 U3.C2 U3.C4 U3.C6 U3.C8 U3.C10 U3.C12 U3.C14 U3.C16 U3.C18 U3.C20 U3.D1 U3.D3 U3.D5 U3.D7 U3.D9 U3.D11 U3.D13 U3.D15 U3.D17 U3.D19 U3.D21 U3.D22 U3.E2 U3.E4 U3.E6 U3.E8 U3.E10 U3.E12 U3.E14 U3.E16 U3.E18 U3.E20 U3.F1 U3.F3 U3.F5 U3.F7 U3.F9 U3.F11 U3.F13 U3.F15 U3.F17 U3.F19 U3.F21 U3.F22 U3.G2 U3.G4 U3.G6 U3.G8 U3.G10 U3.G12 U3.G14 U3.G16 U3.G18 U3.G20 U3.H1 U3.H3 U3.H5 U3.H7 U3.H9 U3.H11 U3.H13 U3.H15 U3.H17 U3.H19 U3.H21 U3.H22 U3.J2 U3.J4 U3.J6 U3.J8 U3.J10 U3.J12 U3.J14 U3.J16 U3.J18 U3.J20 U3.K1 U3.K3 U3.K5 U3.K7 U3.K9 U3.K11 U3.K13 U3.K15 U3.K17 U3.K19 U3.K21 U3.K22 U3.L2 U3.L4 U3.L6 U3.L8 U3.L10 U3.L12 U3.L14 U3.L16 U3.L18 U3.L20 U3.M1 U3.M3 U3.M5 U3.M7 U3.M9 U3.M11 U3.M13 U3.M15 U3.M17 U3.M19 U3.M21 U3.N2 U3.N4 U3.N6 U3.N8 U3.N10 U3.N12 U3.N14 U3.N16 U3.N18 U3.P1 U3.P3 U3.P5 U3.P7 U3.P9 U3.P11 U3.P13 U3.P15 U3.P17 U3.P19 U3.P21 U3.P22 U3.R2 U3.R4 U3.R6 U3.R8 U3.R10 U3.R12 U3.R14 U3.R16 U3.R18 U3.R20 U3.T1 U3.T3 U3.T5 U3.T7 U3.T9 U3.T11 U3.T13 U3.T15 U3.T17 U3.T19 U3.T21 U3.T22 U3.U2 U3.U4 U3.U6 U3.U8 U3.U10 U3.U12 U3.U14 U3.U16 U3.U18 U3.U20 U3.V1 U3.V3 U3.V5 U3.V7 U3.V9 U3.V11 U3.V13 U3.V15 U3.V17 U3.V19 U3.V21 U3.V22 U3.W2 U3.W4 U3.W6 U3.W8 U3.W10 U3.W12 U3.W14 U3.W16 U3.W18 U3.W20 U3.Y1 U3.Y3 U3.Y5 U3.Y7 U3.Y9 U3.Y11 U3.Y13 U3.Y15 U3.Y17 U3.Y19 U3.Y21 U3.Y22 U4.A2 U4.A4 U4.A6 U4.A8 U4.A10 U4.A12 U4.A14 U4.A16 U4.A18 U4.A20 U4.AA2 U4.AA4 U4.AA6 U4.AA8 U4.AA10 U4.AA12 U4.AA14 U4.AA16 U4.AA18 U4.AB3 U4.AB5 U4.AB7 U4.AB9 U4.AB11 U4.AB13 U4.AB15 U4.AB17 U4.B1 U4.B3 U4.B5 U4.B7 U4.B9 U4.B11 U4.B13 U4.B15 U4.B17 U4.B19 U4.B21 U4.B22 U4.C2 U4.C4 U4.C6 U4.C8 U4.C10 U4.C12 U4.C14 U4.C16 U4.C18 U4.C20 U4.D1 U4.D3 U4.D5 U4.D7 U4.D9 U4.D11 U4.D13 U4.D15 U4.D17 U4.D19 U4.D21 U4.D22 U4.E2 U4.E4 U4.E6 U4.E8 U4.E10 U4.E12 U4.E14 U4.E16 U4.E18 U4.E20 U4.F1 U4.F3 U4.F5 U4.F7 U4.F9 U4.F11 U4.F13 U4.F15 U4.F17 U4.F19 U4.F21 U4.F22 U4.G2 U4.G4 U4.G6 U4.G8 U4.G10 U4.G12 U4.G14 U4.G16 U4.G18 U4.G20 U4.H1 U4.H3 U4.H5 U4.H7 U4.H9 U4.H11 U4.H13 U4.H15 U4.H17 U4.H19 U4.H21 U4.H22 U4.J2 U4.J4 U4.J6 U4.J8 U4.J10 U4.J12 U4.J14 U4.J16 U4.J18 U4.J20 U4.K1 U4.K3 U4.K5 U4.K7 U4.K9 U4.K11 U4.K13 U4.K15 U4.K17 U4.K19 U4.K21 U4.K22 U4.L2 U4.L4 U4.L6 U4.L8 U4.L10 U4.L12 U4.L14 U4.L16 U4.L18 U4.L20 U4.M1 U4.M3 U4.M5 U4.M7 U4.M9 U4.M11 U4.M13 U4.M15 U4.M17 U4.M19 U4.M21 U4.N2 U4.N4 U4.N6 U4.N8 U4.N10 U4.N12 U4.N14 U4.N16 U4.N18 U4.P1 U4.P3 U4.P5 U4.P7 U4.P9 U4.P11 U4.P13 U4.P15 U4.P17 U4.P19 U4.P21 U4.P22 U4.R2 U4.R4 U4.R6 U4.R8 U4.R10 U4.R12 U4.R14 U4.R16 U4.R18 U4.R20 U4.T1 U4.T3 U4.T5 U4.T7 U4.T9 U4.T11 U4.T13 U4.T15 U4.T17 U4.T19 U4.T21 U4.T22 U4.U2 U4.U4 U4.U6 U4.U8 U4.U10 U4.U12 U4.U14 U4.U16 U4.U18 U4.U20 U4.V1 U4.V3 U4.V5 U4.V7 U4.V9 U4.V11 U4.V13 U4.V15 U4.V17 U4.V19 U4.V21 U4.V22 U4.W2 U4.W4 U4.W6 U4.W8 U4.W10 U4.W12 U4.W14 U4.W16 U4.W18 U4.W20 U4.Y1 U4.Y3 U4.Y5 U4.Y7 U4.Y9 U4.Y11 U4.Y13 U4.Y15 U4.Y17 U4.Y19 U4.Y21 U4.Y22 U5.2 U6.6 U6.7 U7.4 U8.4 U9.6 U9.7 U10.9 U10.20 U10.25 U10.41 U11.4 U11.9 U12.4 U12.9 U13.4 U13.9 U14.4 U14.9 U15.4 U15.9 U16.4 U16.9 U17.4 U17.9 U18.4 U18.9 U19.4 U19.9 U20.4 U20.9 U21.4 U21.9 U22.4 U22.9 U23.4 U23.9 U24.4 U24.9 U25.4 U25.9 U26.4 U26.9 U27.4 U28.2 U28.3 U28.4 U28.5 U28.6 U28.7 U29.6 U29.7 U30.1 U30.3 U31.1 U31.3 U32.1 U32.3 U33.1 U33.3 U34.4 YO1.2 YO2.2 YO3.2 YO4.2 YO5.2 YO6.2 YO7.2 YO8.2 YO9.2 YO10.2 YO11.2 YO12.2 | length 73840.1
  L1 w7.87: R8.2@3807.28,4027.56 3850.39,4027.56 3850.39,4070.87 3877.95,4098.43 U34.4@3893.7,4098.43
  L1 w9.84: 173.23,999.02 U11.4@230.31,999.02 ; U26.4@344.49,7839.57 401.57,7839.57 ; 708.66,999.02 U15.4@765.75,999.02 ; U22.4@879.92,7839.57 937.01,7839.57 ; 1244.09,999.02 U19.4@1301.18,999.02 ; U18.4@1415.35,7839.57 1472.44,7839.57 ; 1779.53,999.02 U23.4@1836.61,999.02 ; U14.4@1950.79,7839.57 2007.87,7839.57 ; 2314.96,999.02 U12.4@2372.05,999.02 ; U25.4@2486.22,7839.57 2543.31,7839.57 ; 2850.39,999.02 U16.4@2907.48,999.02 ; U21.4@3021.65,7839.57 3078.74,7839.57 ; 3385.83,999.02 U20.4@3442.91,999.02 ; U17.4@3557.09,7839.57 3614.17,7839.57 ; 3921.26,999.02 U24.4@3978.35,999.02 ; U13.4@4092.52,7839.57 4149.61,7839.57